# Allegro board PCIe3_0_X16_V1_0-166-20240802_20240828_pcb.brd (continued)
## Routing (per net, layer and track width the routed paths; a pad name or vN(x,y) marks a point on that pad's centre or on a via; arc(x,y) is an arc through that point) (continued)
  GND11 w0.391: 205.94,91.14 TP24.1 ; TP24.1 204.86,92.22 ; TP24.1 207.02,92.22 ; TP24.1 205.94,93.3
  ART12 w0.391: 24.07,107.92 J1.2 ; J1.2 24.99,106.99 ; J1.2 24.99,108.84 ; J1.2 25.92,107.92 ; TP24.1 205.94,93.3 ; TP24.1 204.86,92.22 ; TP24.1 207.02,92.22 ; TP24.1 205.94,91.14 ; 197.55,98.29 J5.2 ; J5.2 199.63,98.29 ; J5.2 199.63,96.2 ; J5.2 197.55,96.2 ; J5.4 199.63,92.79 ; J5.4 197.55,92.79 ; J5.4 199.63,90.7 ; J5.4 197.55,90.7 ; 34.23,107.92 J1.10 ; J1.10 35.15,108.84 ; J1.10 35.15,106.99 ; J1.10 36.08,107.92
  GND13 w0.391: 205.94,91.14 TP24.1 ; TP24.1 207.02,92.22 ; TP24.1 205.94,93.3 ; TP24.1 204.86,92.22
  BOTTOM w0.254: R16.1 88.72,51.7 89.01,51.4 89.15,51.4 v1(89.32,51.23)
  BOTTOM w0.305: C120.2 80.48,47.42 v1(80.35,47.56) ; R116.1 145.12,42.36 v1(145.29,42.18) ; C32.2 117.08,68.99 v1(117.32,69.23) ; C106.2 76.21,35.12 v1(76.35,34.98) 76.29,34.93 C104.2 ; v1(137.29,67.33) 137.16,67.47 C224.2 ; v1(71.55,92.47) 71.39,92.63 C153.2 ; C483.2 109.76,48.79 v1(109.32,49.23) ; v1(107.32,56.23) 107.67,55.88 L2.1 ; C133.2 77.73,67.55 v1(77.95,67.33) ; v1(112.32,54.23) 111.88,54.67 C42.2 ; C5.2 112.57,99.85 112.41,100 v1(111.82,100) ; C231.2 135.06,48.99 v1(135.69,48.36) ; C147.2 80.48,72.56 v1(80.35,72.7) ; C152.2 75.95,80.3 v1(76.35,79.9) 75.94,79.5 C150.2 ; C178.2 80.48,85.14 v1(80.35,85.27) ; v1(71.55,54.76) 71.34,54.96 C94.2 ; R75.2 78.87,47.43 v1(78.75,47.56) ; C41.2 104.88,57.79 v1(105.32,58.23) ; R150.2 138.77,67.45 v1(138.89,67.33) ; v1(78.75,60.13) 78.87,60 R108.2 ; v1(145.29,67.33) 145.12,67.5 R149.1 ; C56.2 114.96,67.87 v1(114.32,67.23) ; C113.2 75.95,55.15 v1(76.35,54.76) 75.94,54.35 C118.2 ; C58.2 111.88,57.79 v1(112.32,58.23) ; C137.2 73.92,67.36 v1(73.95,67.33) ; C244.2 137.21,34.9 v1(137.29,34.98) ; R41.1 94.68,83.59 v1(94.32,83.23) ; v1(77.95,79.9) 77.73,80.12 C144.2 ; C47.2 107.77,68.78 v1(107.32,69.23) ; C182.2 146.3,85.07 v1(146.09,85.27) ; C128.2 v1(70.74,71.27) ; v1(148.49,34.98) 148.59,34.89 C265.2 ; v1(96.32,78.23) 95.88,77.79 C477.2 ; v1(118.32,71.23) 118.49,71.4 C30.2 ; v1(121.32,81.23) U1.AM37 C86.2 ; C260.2 135.06,36.41 v1(135.69,35.78) ; v1(97.32,78.23) 97.73,77.81 C478.2 ; R69.1 72.52,72.53 v1(72.35,72.7) ; C241.2 138.93,47.52 v1(138.89,47.56) ; C232.2 141.69,47.16 v1(141.29,47.56) 141.7,47.96 C235.2 ; C263.2 143.76,42.25 v1(143.69,42.18) ; v1(116.32,54.23) 116.74,54.65 R58.2 ; R65.1 119.52,63.8 119.82,63.5 U1.AL19 v1(120.32,62.23) ; v1(71.55,67.33) 71.34,67.53 C123.2 ; C176.2 73.92,92.5 v1(73.95,92.47) ; v1(96.32,57.23) 96.62,56.93 R57.1 ; v1(104.32,76.23) 103.88,76.67 C72.2 ; C115.2 76.29,47.5 v1(76.35,47.56) 76.27,47.63 C107.2 ; v1(145.29,92.47) 145.12,92.65 R111.1 ; U1.AK33 v1(119.32,77.23) ; v1(78.75,92.47) 78.71,92.51 C175.2 ; v1(146.09,34.98) 146.3,34.78 C242.2 ; R68.1 115.66,64.57 v1(116.32,65.23) 116.64,64.91 R67.2 ; C40.2 111.88,61.79 v1(112.32,62.23) ; v1(106.32,49.23) 106.76,48.79 C480.2 ; C215.2 v1(146.9,68.76) ; v1(81.95,73.5) 82.5,74.05 C141.2 ; C250.2 v1(154.04,82.5) ; C183.2 146.3,72.5 v1(146.09,72.7) ; C110.2 78.71,42.22 v1(78.75,42.18) ; 83.83,65.9 C130.2 82.58,65.9 v1(81.95,66.53) ; v1(98.32,46.23) U1.K3 C77.2 ; v1(77.95,54.76) 77.73,54.97 C119.2 ; v2(56.96,89.2) 57.2,88.96 C304.2 ; C116.2 73.88,47.49 v1(73.95,47.56) ; v1(82.76,43) 82.61,42.85 C95.2 ; v1(104.32,59.23) U1.T16 C59.2 ; R70.2 78.87,72.58 v1(78.75,72.7) ; R66.1 122.59,63.96 v1(123.32,63.23) ; C7.2 115.95,103.43 v1(115.95,103.46) ; v1(109.32,63.23) 108.93,63.61 C1.2 ; R34.2 89.13,65.42 v1(89.32,65.23) ; v1(73.95,85.27) 73.88,85.21 C181.2 ; R115.2 148.08,84.86 v1(148.49,85.27) 148.46,85.31 C194.2 ; C308.2 56.45,48.92 v2(56.96,49.43) ; C469.2 U1.Y4 v1(109.32,47.23) ; C225.2 141.35,67.38 v1(141.29,67.33) 141.5,67.12 C226.2 ; v1(81.95,91.67) 82.58,91.04 C171.2 ; v1(81.95,41.38) 82.58,40.75 C100.2 ; v1(138.89,72.7) 138.93,72.66 C206.2 ; C185.2 v1(146.9,93.9) ; v1(114.32,58.23) 115.11,57.44 R60.2 ; C473.2 v1(113.32,78.23) U1.AD34 ; v1(97.32,71.23) 97.48,71.07 R43.2 ; v1(138.89,92.47) 138.77,92.6 R112.2 ; v1(112.32,73.23) 112.69,73.6 C51.2 ; C75.2 U1.AH6 v1(117.32,49.23) ; v1(81.95,60.93) 82.5,61.48 C129.2 83.05,62.67 ; v1(73.95,34.98) 73.88,34.92 C108.2 ; C191.2 141.43,92.34 v1(141.29,92.47) 141.35,92.53 C192.2 ; C111.2 82.5,48.91 v1(81.95,48.36) ; v1(99.32,80.23) 99.32,80.1 C87.2 ; C93.2 71.34,42.39 v1(71.55,42.18) ; v1(137.29,42.18) 137.16,42.32 C261.2 ; v1(80.35,34.98) 80.48,34.84 C103.2 ; v1(67.16,7) v1(67.16,8.02) ; C49.2 U1.U27 v1(105.32,71.23) ; C114.2 69.05,54.85 v1(69.15,54.76) ; C229.2 143.72,60.1 v1(143.69,60.13) ; v1(146.09,47.56) 146.3,47.35 C213.2 ; v1(138.89,85.27) 138.93,85.24 C197.2 ; v1(73.95,72.7) 73.88,72.64 C149.2 ; v1(143.69,67.33) 143.76,67.39 C221.2 ; C143.2 78.71,79.94 v1(78.75,79.9) ; C259.2 135.14,40.83 v1(135.69,41.38) ; C92.2 98.88,74.79 v1(99.32,75.23) ; R117.2 138.77,42.31 v1(138.89,42.18) ; v1(134.88,46.74) 135.03,46.89 C217.2 ; R113.1 145.12,80.08 v1(145.29,79.9) ; C136.2 78.71,67.37 v1(78.75,67.33) ; C126.2 82.61,68 v1(82.76,68.14) ; v1(143.69,72.7) 143.72,72.67 C207.2 ; C44.2 U1.T12 v1(104.32,55.23) ; C170.2 82.5,86.63 v1(81.95,86.07) ; C31.2 121.93,67.62 v1(122.32,67.23) 122.33,67.24 C53.2 ; v1(143.69,85.27) 143.72,85.25 C190.2 ; v1(73.95,54.76) 73.92,54.78 C122.2 ; R107.1 72.52,59.95 v1(72.35,60.13) ; v1(113.32,49.23) 112.88,48.79 C470.2 ; v1(113.32,63.23) 113.09,63.46 R61.1 ; v1(134.88,84.46) 135.03,84.61 C184.2 ; C37.2 104.2,63.35 v1(104.32,63.23) ; v1(103.32,56.23) 102.82,56.73 C486.2 ; C148.2 76.29,72.65 v1(76.35,72.7) 76.26,72.79 C146.2 ; v1(102.32,49.23) 101.88,48.79 C84.2 ; C220.2 141.69,59.73 v1(141.29,60.13) 141.7,60.53 C223.2 ; C209.2 137.16,80.04 v1(137.29,79.9) ; C248.2 v2(154.04,91.31) C254.2 ; v1(73.95,60.13) 73.88,60.06 C134.2 ; 135.55,62.9 R140.1 134.9,64.18 134.6,64.49 C218.2 135.14,65.98 v1(135.69,66.53) ; v1(80.35,60.13) 80.48,59.99 C140.2 ; v1(73.95,42.18) 73.92,42.21 C105.2 ; v1(103.32,65.23) 103.15,65.06 R35.1 ; v1(90.32,79.23) U1.B35 C479.2 90.88,78.67 v1(91.32,78.23) ; R71.1 72.52,85.1 v1(72.35,85.27) ; C201.2 135.06,74.13 v1(135.69,73.5) ; v1(106.32,76.23) 105.82,76.73 C90.2 ; v1(139.69,60.13) 139.91,59.91 C222.2 ; C485.2 102.88,59.79 v1(103.32,60.23) ; C202.2 141.69,72.31 v1(141.29,72.7) 141.7,73.11 C203.2 ; v1(73.95,79.9) 73.92,79.93 C145.2 ; R76.1 72.52,34.81 v1(72.35,34.98) ; v1(98.32,76.23) 98.75,76.66 C69.2 ; C151.2 69.05,79.99 v1(69.15,79.9) ; C121.2 75.94,41.78 v1(76.35,42.18) 75.95,42.58 C102.2 ; C266.2 139.91,34.77 v1(139.69,34.98) ; v1(114.32,54.23) 114.69,53.86 R59.1 ; C88.2 92.82,79.73 v1(93.32,80.23) ; v1(119.32,51.23) U1.AK7 v1(118.32,51.23) ; v1(139.69,47.56) 139.91,47.34 C240.2 ; v1(110.32,46.23) U1.AA3 C85.2 ; v1(100.32,51.23) 99.89,50.8 C70.2 ; v1(113.32,72.23) U1.AD28 C48.2 ; v1(107.32,73.23) 107.64,73.54 C39.2 ; 83.03,63.53 R99.1 ; v1(77.95,42.18) 77.73,42.4 C101.2 ; v1(138.89,79.9) 138.77,80.03 R114.2 ; 132.93,53.4 C230.2 135.14,53.4 v1(135.69,53.96) ; C71.2 U1.AE4 v1(114.32,47.23) ; C198.2 141.69,84.88 v1(141.29,85.27) 141.7,85.68 C195.2 ; R118.1 145.12,54.93 v1(145.29,54.76) ; C474.2 107.76,48.67 v1(107.32,48.23) ; C109.2 v1(69.15,42.18) R73.2 ; C73.2 97.76,50.67 v1(97.32,50.23) ; C139.2 76.29,60.08 v1(76.35,60.13) 76.26,60.21 C135.2 ; v1(72.35,47.56) 72.52,47.38 R74.1 ; C142.2 82.58,78.47 v1(81.95,79.1) ; v1(104.32,74.23) U1.T30 C50.2 ; C33.2 123.42,70.13 v1(123.32,70.23) ; v1(137.29,92.47) 137.16,92.61 C193.2 ; v1(135.69,86.07) 135.06,86.7 C189.2 ; C270.2 141.7,35.39 v1(141.29,34.98) 141.69,34.59 C267.2 ; C233.2 143.72,47.53 v1(143.69,47.56) ; v1(148.49,60.13) 148.59,60.04 C228.2 ; C188.2 135.14,91.12 v1(135.69,91.67) ; C214.2 135.03,59.46 v1(134.88,59.32) ; v1(78.75,34.98) 78.87,34.86 R77.2 ; U1.AJ32 v1(118.32,76.23) ; C208.2 139.91,72.48 v1(139.69,72.7) ; C174.2 75.95,92.87 v1(76.35,92.47) 75.94,92.07 C180.2 ; v2(56.96,61.62) 56.45,61.11 C306.2 ; v1(146.09,60.13) 146.3,59.92 C212.2 ; C82.2 111.76,48.79 v1(111.32,49.23) ; v1(89.32,54.23) 89.28,54.27 R12.1 R20.1 ; v1(69.15,92.47) 69.13,92.46 C177.2 ; C132.2 75.95,67.72 v1(76.35,67.33) 75.94,66.92 C138.2 ; C475.2 v1(94.32,49.23) ; v1(148.49,72.7) 148.59,72.61 C205.2 ; C236.2 141.35,54.81 v1(141.29,54.76) 141.38,54.67 C238.2 ; v1(138.89,60.13) 138.93,60.09 C227.2 ; v1(104.32,49.23) 103.88,48.79 C471.2 ; C196.2 139.91,85.06 v1(139.69,85.27) ; C97.2 82.61,55.42 v1(82.76,55.57) ; v1(143.69,54.76) 143.76,54.82 C237.2 ; C172.2 76.14,85.49 v1(76.35,85.27) 76.29,85.22 C179.2 ; R42.1 97.13,82.41 v1(97.32,82.23) ; R56.1 96.67,59.77 95.86,59.77 v1(95.32,59.23) ; v1(134.88,71.89) 135.03,72.03 C186.2 ; C79.2 104.82,47.73 v1(105.32,47.23) ; C156.2 v1(70.74,83.85) ; C251.2 v1(154.04,95.53) ; v1(137.29,54.76) 137.16,54.89 C234.2 ; C187.2 v1(146.9,81.33) ; R15.2 108.94,54.85 v1(109.32,55.23) ; v1(111.95,95.46) 112.45,95.96 C8.2 ; R19.1 88.52,57.03 v1(89.32,56.23) ; v1(105.32,62.23) U1.U19 C43.2 ; v1(71.55,79.9) 71.34,80.11 C124.2 ; v1(112.32,60.23) 111.88,59.79 C484.2 ; C476.2 95.88,49.67 v1(96.32,49.23) ; C68.2 99.76,81.79 ; U1.AE9 v1(114.32,52.23) ; v1(135.69,79.1) 135.14,78.55 C200.2 ; C262.2 138.93,34.94 v1(138.89,34.98) ; C264.2 141.5,41.97 v1(141.29,42.18) 141.35,42.24 C269.2 ; C216.2 v1(146.9,56.18) ; C268.2 143.72,34.95 v1(143.69,34.98) ; v1(69.15,67.33) 69.05,67.42 C131.2 ; C204.2 143.76,79.97 v1(143.69,79.9) ; C98.2 v4(70.74,46.13) ; v1(101.32,67.23) 101.76,66.79 C481.2 ; C125.2 v1(70.74,58.7) ; v1(100.32,65.23) 100.72,64.83 R37.1 ; C210.2 141.35,79.95 v1(141.29,79.9) 141.5,79.69 C211.2 ; C245.2 v1(146.9,43.61) ; C91.2 111.82,77.73 v1(111.32,78.23) 111.75,78.66 C80.2 ; v1(103.32,69.23) 102.7,69.85 R44.1 ; R72.2 78.87,85.15 v1(78.75,85.27) ; C57.2 122.02,80.23 v1(121.32,80.23) ; R119.2 138.77,54.88 v1(138.89,54.76) ; C6.2 117.43,98.94 v1(117.95,99.46) ; v1(81.95,53.96) 82.58,53.33 C112.2 ; C173.2 77.73,92.69 v1(77.95,92.47) ; C256.2 v1(154.04,86.82) C255.2 ; v1(81.95,35.78) 82.5,36.33 C99.2 ; C81.2 v1(115.32,49.23) ; v1(111.32,66.23) 111.82,65.73 C60.2 111.95,65.6 v1(112.32,65.23) ; v1(82.76,80.71) 82.61,80.57 C127.2 ; C74.2 v1(117.32,76.23) ; v1(82.76,93.29) 82.61,93.14 C155.2 ; v1(120.32,69.23) 120.87,69.77 C34.2 ; v1(78.75,54.76) 78.71,54.8 C117.2 ; v1(148.49,47.56) 148.59,47.46 C239.2 ; U1.P32 v1(103.32,75.23) ; C199.2 143.76,92.54 v1(143.69,92.47) ; C10.2 v2(115.33,108.92)
  BOTTOM w0.381: P2.A63 109.65,6.49 v1(110.16,7) v1(110.16,8.02) ; P2.A45 91.65,6.51 v1(91.16,7) v1(91.16,8.02) ; P2.A74 120.65,6.51 v1(120.16,7) v1(120.16,8.02) ; P2.A59 105.65,6.49 v1(106.16,7) v1(106.16,8.02) ; v1(71.16,8.02) v1(71.16,7) 70.65,6.49 P2.A24 ; v1(81.16,8.02) v1(81.16,7) 80.65,6.49 P2.A34 ; v1(118.32,71.23) 117.82,70.73 C482.2 ; P2.A62 108.65,6.51 v1(108.16,7) v1(108.16,8.02) ; v1(69.16,8.02) v1(69.16,7) 69.65,6.51 P2.A23 ; C284.2 36.45,54.73 v2(36.71,54.99) v2(37.47,54.99) ; R47.1 v2(94.69,38.89) ; v2(37.47,69.24) v2(36.71,69.24) 36.45,68.98 C280.2 ; P2.A82 128.65,6.51 v1(128.16,7) v1(128.16,8.02) ; P2.A66 112.65,6.51 v1(112.16,7) v1(112.16,8.02) ; v2(37.47,26.49) v2(36.71,26.49) 36.45,26.23 C298.2 ; P2.A18 64.65,6.99 v1(64.66,7) v1(64.66,8.02) ; P2.A28 74.65,6.49 v1(75.16,7) v1(75.16,8.02) ; P2.A41 87.65,6.51 v1(87.16,7) v1(87.16,8.02) ; C310.2 54.62,32.92 v2(54.3,32.61) ; v2(32.24,37.94) 30.88,37.94 30.66,38.15 R187.1 R185.1 ; v2(37.47,28.89) v2(36.71,28.89) 36.46,29.13 C302.2 ; v1(62.16,8.02) v1(62.16,7) 61.65,6.49 P2.A15 ; R161.1 R163.1 30.66,66.74 30.97,66.44 v2(32.24,66.44) ; v2(37.47,57.39) v2(36.71,57.39) 36.46,57.63 C290.2 ; v2(37.47,43.14) v2(36.71,43.14) 36.46,43.38 C296.2 ; v1(126.16,8.02) v1(126.16,7) 125.65,6.49 P2.A79 ; P2.A38 84.65,6.49 v1(85.16,7) v1(85.16,8.02) ; v1(114.16,8.02) v1(114.16,7) 113.65,6.49 P2.A67 ; v1(93.16,8.02) v1(93.16,7) 92.65,6.49 P2.A46 ; P2.A75 121.65,6.49 v1(122.16,7) v1(122.16,8.02) ; P2.A49 95.65,6.51 v1(95.16,7) v1(95.16,8.02) ; v1(102.16,8.02) v1(102.16,7) 101.65,6.49 P2.A55 ; P2.A27 73.65,6.51 v1(73.16,7) v1(73.16,8.02) ; v2(37.47,71.64) v2(36.71,71.64) 36.46,71.88 C287.2 ; P2.A31 77.65,6.49 v1(78.16,7) v1(78.16,8.02) ; P2.A54 100.65,6.51 v1(100.16,7) v1(100.16,8.02) ; v1(104.16,8.02) v1(104.16,7) 104.65,6.51 P2.A58 ; v2(32.24,52.19) 32.22,52.16 30.97,52.16 30.66,52.47 R177.1 R175.1 ; v1(59.16,8.02) v1(59.16,7) 58.65,6.49 P2.A12 ; P2.A71 117.65,6.49 v1(118.16,7) v1(118.16,8.02) ; v1(48.66,9.29) v1(48.66,8.02) v1(48.66,7) 48.66,6.75 48.65,6.74 P2.A4 ; v2(32.24,23.69) 30.97,23.69 30.66,23.99 R197.1 R195.1 ; P2.A78 124.65,6.51 v1(124.16,7) v1(124.16,8.02) ; v1(89.16,8.02) v1(89.16,7) 88.65,6.49 P2.A42 ; v2(37.47,40.74) v2(36.71,40.74) 36.45,40.48 C292.2 ; v1(116.16,8.02) v1(116.16,7) 116.65,6.51 P2.A70 ; R48.1 v2(92.07,38.89) ; v1(68.41,33.88) 68.98,33.88 C96.2 ; v1(98.16,8.02) v1(98.16,7) 97.65,6.49 P2.A51 ; P2.A37 83.65,6.51 v1(83.16,7) v1(83.16,8.02) ; P2.A20 66.65,6.49 v1(67.16,7) ; R36.2 92.72,71.63 v1(93.32,72.23) 93.15,72.39 C65.2
  vias: v1(38.71,84.21) v1(38.71,82.94) v1(39.75,92.04) v1(39.98,82.94) v1(41.25,82.94) v1(42.47,73.9) v1(42.47,66.97) v1(42.47,59.65) v1(42.47,52.72) v1(42.47,45.41) v1(42.47,38.47) v1(42.47,31.15) v1(42.47,24.22) v1(44.25,33.7) v1(44.25,32.43) v1(44.5,76.44) v1(44.5,75.17) v1(44.5,62.19) v1(44.5,60.92) v1(44.5,47.95) v1(44.5,46.68) v1(45.52,73.9) v1(45.52,66.97) v1(45.52,59.65) v1(45.52,45.41) v1(45.52,33.7) v1(45.52,32.43) v1(45.52,31.15) v1(45.77,76.44) v1(45.77,75.17) v1(45.77,62.19) v1(45.77,60.92) v1(45.77,47.95) v1(45.77,46.68) v1(46.79,66.97) v1(46.79,52.72) v1(46.79,38.47) v1(46.79,33.7) v1(46.79,24.22) v1(47.04,76.44) v1(47.04,62.19) v1(47.04,47.95) v1(48.06,66.97) v1(48.06,52.72) v1(48.06,38.47) v1(48.31,76.44) v1(48.31,62.19) v1(48.31,47.95) v1(48.31,33.7) v1(48.31,24.22) v1(49.33,68.49) v1(49.33,66.97) v1(49.33,53.99) v1(49.33,52.72) v1(49.33,39.74) v1(49.33,38.47) v1(49.35,26.33) v1(49.35,25.31) v1(49.35,24.22) v1(53.03,88.19) v1(59.51,9.62) v1(59.99,92.76) v1(62.43,12.16) v1(62.43,9.62) v1(62.53,20.93) v1(63.93,12.16) v1(63.93,9.62) v1(64.31,19.13) v1(67.43,12.16) v1(67.43,9.62) v1(67.78,90.37) v1(67.8,32.77) v1(68.82,32.77) v1(68.93,12.16) v1(68.93,9.62) v1(69.15,84.47) v1(69.15,77.5) v1(69.15,64.93) v1(70.75,93.27) v1(71.43,12.16) v1(71.43,9.62) v1(72.93,12.16) v1(72.93,9.62) v1(73.15,75.1) v1(73.15,49.96) v1(73.95,39.78) v1(74.75,77.5) v1(74.75,75.1) v1(74.75,65.73) v1(74.75,64.93) v1(74.75,62.53) v1(74.75,61.73) v1(74.75,52.36) v1(74.75,49.96) v1(75.43,12.16) v1(75.43,9.62) v1(75.55,75.1) v1(75.55,63.33) v1(75.55,61.73) v1(75.55,49.16) v1(76.35,87.67) v1(76.35,77.5) v1(76.35,76.23) v1(76.35,75.1) v1(76.35,69.87) v1(76.35,64.13) v1(76.35,63.33) v1(76.35,56.36) v1(76.35,49.96) v1(76.48,38.3) v1(76.93,12.16) v1(76.93,9.62) v1(77.15,90.87) v1(77.15,87.67) v1(77.15,78.3) v1(77.15,49.96) v1(77.07,32.77) v1(77.95,90.87) v1(77.95,78.3) v1(77.95,62.53) v1(77.95,49.96) v1(77.95,38.98) v1(78.09,32.77) v1(78.2,9.62) v1(78.75,76.23) v1(78.75,62.53) v1(78.75,52.36) v1(78.75,49.96) v1(78.75,38.98) v1(78.75,36.58) v1(78.85,30.58) v1(79.36,32.77) v1(79.55,52.36) v1(79.55,49.96) v1(80.35,80.75) v1(80.35,49.96) v1(80.35,41.38) v1(80.63,32.77) v1(81.43,12.16) v1(81.43,9.62) v1(82.93,12.16) v1(82.93,9.62) v1(84.2,9.62) v1(85.43,12.16) v1(86.93,12.16) v1(86.93,9.62) v1(89.32,46.23) v1(89.43,12.16) v1(89.49,95.71) v1(90.32,56.23) v1(90.93,12.16) v1(91.16,9.62) v1(92.02,96.24) v1(93.43,12.16) v1(93.43,9.62) v1(93.59,97.61) v1(94.6,95.71) v1(94.6,94.44) v1(94.85,92.79) v1(94.93,12.16) v1(95.32,52.23) v1(95.32,49.23) v1(96.32,44.23) v1(96.38,97.61) v1(97.32,68.23) v1(97.32,46.23) v1(97.42,92.25) v1(97.39,9.62) v1(98.32,66.23) v1(99.93,12.16) v1(100.16,9.62) v1(101.32,59.23) v1(101.46,93.9) v1(101.46,92.63) v1(102.43,9.62) v1(103.93,12.16) v1(104.16,9.62) v1(104.92,96.62) v1(104.92,93.95) v1(105.32,83.23) v1(106.16,12.16) v1(106.16,9.62) v1(106.4,98.32) v1(106.4,95.66) v1(107.93,12.16) v1(107.93,9.62) v1(110.24,12.16) v1(110.24,9.62) v1(111.4,88.58) v1(111.4,87.31) v1(111.4,86.04) v1(111.4,84.77) v1(111.93,12.16) v1(111.93,9.62) v1(111.95,94.19) v1(114.43,12.16) v1(114.43,9.62) v1(115.93,12.16) v1(115.93,9.62) v1(116.6,88.29) v1(118.13,88.29) v1(118.43,93.55) v1(118.41,12.16) v1(118.41,9.62) v1(119.93,12.16) v1(119.93,9.62) v1(119.95,99.46) v1(121.6,88.39) v1(122.18,96.46) v1(122.18,95.46) v1(122.18,94.13) v1(122.18,92.86) v1(122.41,12.16) v1(122.41,9.62) v1(123.93,12.16) v1(123.93,9.62) v1(126.3,89.03) v1(126.43,12.16) v1(126.43,9.62) v1(127.93,12.16) v1(127.93,9.62) v1(130.47,12.16) v1(131.5,93.35) v1(133.01,12.16) v1(134.89,38.51) v1(135.55,12.16) v1(135.69,61.73) v1(137.29,90.07) v1(137.29,87.67) v1(137.29,61.73) v1(137.29,60.93) v1(137.29,52.36) v1(137.29,38.51) v1(138.09,90.07) v1(138.09,68.13) v1(138.09,61.73) v1(138.09,52.36) v1(138.09,49.96) v1(138.09,12.16) v1(138.89,90.07) v1(138.89,49.96) v1(138.89,38.51) v1(139.69,90.07) v1(139.69,64.93) v1(139.69,36.58) v1(140.34,88.39) v1(140.49,77.5) v1(140.49,49.96) v1(140.49,36.58) v1(140.83,62.92) v1(141.29,90.07) v1(141.29,87.67) v1(141.29,77.5) v1(141.29,64.93) v1(141.29,49.96) v1(141.29,38.51) v1(142.09,90.87) v1(142.09,77.5) v1(142.89,87.67) v1(142.89,77.5) v1(142.89,75.1) v1(142.89,64.93) v1(142.89,62.53) v1(142.89,52.36) v1(142.89,49.96) v1(142.89,37.38) v1(143.69,87.67) v1(144.49,77.5) v1(147.69,39.78) v1(147.69,35.78) v1(148.49,75.1) v1(148.49,62.53) v1(148.49,49.96) v1(148.49,39.78) v1(180.5,88.57) v1(180.5,87.78) v1(180.5,87) v1(180.5,86.21) v1(180.5,66.22) v1(180.5,65.43) v1(180.5,64.64) v1(180.5,63.86) v1(180.5,47.04) v1(180.5,46.25) v1(180.5,45.47) v1(180.5,44.68) v1(180.5,27.99) v1(180.5,27.2) v1(180.5,26.42) v1(180.5,25.63) v1(181.29,88.57) v1(181.29,87.78) v1(181.29,87) v1(181.29,86.21) v1(181.29,66.22) v1(181.29,65.43) v1(181.29,64.64) v1(181.29,63.86) v1(181.29,47.04) v1(181.29,46.25) v1(181.29,45.47) v1(181.29,44.68) v1(181.29,27.99) v1(181.29,27.2) v1(181.29,26.42) v1(181.29,25.63) v1(182.07,88.57) v1(182.07,87.78) v1(182.07,87) v1(182.07,86.21) v1(182.07,66.22) v1(182.07,65.43) v1(182.07,64.64) v1(182.07,63.86) v1(182.07,47.04) v1(182.07,46.25) v1(182.07,45.47) v1(182.07,44.68) v1(182.07,27.99) v1(182.07,27.2) v1(182.07,26.42) v1(182.07,25.63) v1(182.86,88.57) v1(182.86,87.78) v1(182.86,87) v1(182.86,86.21) v1(182.86,66.22) v1(182.86,65.43) v1(182.86,64.64) v1(182.86,63.86) v1(182.86,47.04) v1(182.86,46.25) v1(182.86,45.47) v1(182.86,44.68) v1(182.86,27.99) v1(182.86,27.2) v1(182.86,26.42) v1(182.86,25.63) v1(183.65,88.57) v1(183.65,87.78) v1(183.65,87) v1(183.65,86.21) v1(183.65,66.22) v1(183.65,65.43) v1(183.65,64.64) v1(183.65,63.86) v1(183.65,47.04) v1(183.65,46.25) v1(183.65,45.47) v1(183.65,44.68) v1(183.65,27.99) v1(183.65,27.2) v1(183.65,26.42) v1(183.65,25.63) v1(184.44,88.57) v1(184.44,87.78) v1(184.44,87) v1(184.44,86.21) v1(184.44,66.22) v1(184.44,65.43) v1(184.44,64.64) v1(184.44,63.86) v1(184.44,47.04) v1(184.44,46.25) v1(184.44,45.47) v1(184.44,44.68) v1(184.44,27.99) v1(184.44,27.2) v1(184.44,26.42) v1(184.44,25.63) v1(196.55,71.15) v1(196.55,70.37) v1(196.55,69.58) v1(196.55,68.79) v1(196.55,68) v1(196.55,67.22) v1(196.55,39.77) v1(196.55,38.98) v1(196.55,38.19) v1(196.55,37.41) v1(196.55,36.62) v1(196.55,35.83) v1(197.34,71.15) v1(197.34,70.37) v1(197.34,69.58) v1(197.34,68.79) v1(197.34,68) v1(197.34,67.22) v1(197.34,39.77) v1(197.34,38.98) v1(197.34,38.19) v1(197.34,37.41) v1(197.34,36.62) v1(197.34,35.83) v1(198.12,71.15) v1(198.12,70.37) v1(198.12,69.58) v1(198.12,68.79) v1(198.12,68) v1(198.12,67.22) v1(198.12,39.77) v1(198.12,38.98) v1(198.12,38.19) v1(198.12,37.41) v1(198.12,36.62) v1(198.12,35.83) v1(198.91,71.15) v1(198.91,70.37) v1(198.91,69.58) v1(198.91,68.79) v1(198.91,68) v1(198.91,67.22) v1(198.91,39.77) v1(198.91,38.98) v1(198.91,38.19) v1(198.91,37.41) v1(198.91,36.62) v1(198.91,35.83) v2(1.17,100.42) v2(1.17,98.13) v2(1.17,95.59) v2(1.17,93.05) v2(1.17,90.51) v2(1.17,87.97) v2(1.17,85.43) v2(1.17,82.89) v2(1.17,80.35) v2(1.17,77.81) v2(1.17,75.27) v2(1.17,72.73) v2(1.17,70.19) v2(1.17,67.65) v2(1.17,65.11) v2(1.17,62.57) v2(1.17,60.03) v2(1.17,57.49) v2(1.17,54.95) v2(1.17,52.41) v2(1.17,49.87) v2(1.17,47.33) v2(1.17,44.79) v2(1.17,42.25) v2(1.17,39.71) v2(1.17,37.17) v2(1.17,34.63) v2(1.17,32.09) v2(1.17,29.55) v2(1.17,27.01) v2(1.17,24.47) v2(1.17,21.93) v2(1.17,19.65) v2(3.71,95.59) v2(3.71,93.05) v2(3.71,90.51) v2(3.71,87.97) v2(3.71,85.43) v2(3.71,82.89) v2(3.71,80.35) v2(3.71,77.81) v2(3.71,75.27) v2(3.71,72.73) v2(3.71,65.11) v2(3.71,60.03) v2(3.71,57.49) v2(3.71,52.41) v2(3.71,49.87) v2(3.71,47.33) v2(3.71,44.79) v2(3.71,42.25) v2(3.71,37.17) v2(3.71,34.63) v2(3.71,24.47) v2(3.71,21.93) v2(6.25,100.42) v2(6.25,98.13) v2(6.25,95.59) v2(6.25,93.05) v2(6.25,90.51) v2(6.25,87.97) v2(6.25,85.43) v2(6.25,82.89) v2(6.25,80.35) v2(6.25,77.81) v2(6.25,75.27) v2(6.25,72.73) v2(6.25,70.19) v2(6.25,67.65) v2(6.25,65.11) v2(6.25,62.57) v2(6.25,60.03) v2(6.25,57.49) v2(6.25,54.95) v2(6.25,52.41) v2(6.25,49.87) v2(6.25,47.33) v2(6.25,44.79) v2(6.25,42.25) v2(6.25,39.71) v2(6.25,37.17) v2(6.25,34.63) v2(6.25,32.09) v2(6.25,29.55) v2(6.25,27.01) v2(6.25,24.47) v2(6.25,21.93) v2(6.25,19.65) v2(8.79,100.42) v2(8.79,98.13) v2(8.79,95.59) v2(8.79,93.05) v2(8.79,90.51) v2(8.79,87.97) v2(8.79,85.43) v2(8.79,82.89) v2(8.79,75.27) v2(8.79,72.73) v2(8.79,70.19) v2(8.79,67.65) v2(8.79,65.11) v2(8.79,62.57) v2(8.79,60.03) v2(8.79,57.49) v2(8.79,54.95) v2(8.79,52.41) v2(8.79,47.33) v2(8.79,44.79) v2(8.79,42.25) v2(8.79,39.71) v2(8.79,37.17) v2(8.79,32.09) v2(8.79,29.55) v2(8.79,27.01) v2(8.79,24.47) v2(8.79,21.93) v2(8.79,19.65) v2(11.33,100.42) v2(11.33,98.13) v2(11.33,95.59) v2(11.33,93.05) v2(11.33,90.51) v2(11.33,87.97) v2(11.33,85.43) v2(11.33,82.89) v2(11.33,80.35) v2(11.33,77.81) v2(11.33,75.27) v2(11.33,72.73) v2(11.33,70.19) v2(11.33,67.65) v2(11.33,65.11) v2(11.33,62.57) v2(11.33,60.03) v2(11.33,57.49) v2(11.33,54.95) v2(11.33,52.41) v2(11.33,49.87) v2(11.33,47.33) v2(11.33,44.79) v2(11.33,42.25) v2(11.33,39.71) v2(11.33,37.17) v2(11.33,34.63) v2(11.33,32.09) v2(11.33,29.55) v2(11.33,27.01) v2(11.33,24.47) v2(11.33,21.93) v2(11.33,19.65) v2(13.87,101.68) v2(13.87,100.42) v2(13.87,98.13) v2(13.87,95.59) v2(13.87,93.05) v2(13.87,90.51) v2(13.87,87.97) v2(13.87,85.43) v2(13.87,82.89) v2(13.87,80.35) v2(13.87,77.81) v2(13.87,75.27) v2(13.87,72.73) v2(13.87,70.19) v2(13.87,67.65) v2(13.87,65.11) v2(13.87,60.03) v2(13.87,57.49) v2(13.87,54.95) v2(13.87,52.41) v2(13.87,49.87) v2(13.87,47.33) v2(13.87,44.79) v2(13.87,42.25) v2(13.87,39.71) v2(13.87,37.17) v2(13.87,34.63) v2(13.87,32.09) v2(13.87,29.55) v2(13.87,27.01) v2(13.87,24.47) v2(13.87,21.93) v2(15.14,101.68) v2(16.41,101.68) v2(16.41,100.42) v2(16.41,98.13) v2(16.41,95.59) v2(16.41,93.05) v2(16.41,90.51) v2(16.41,87.97) v2(16.41,85.43) v2(16.41,82.89) v2(16.41,77.81) v2(16.41,75.27) v2(16.41,72.73) v2(16.41,70.19) v2(16.41,67.65) v2(16.41,65.11) v2(16.41,62.57) v2(16.41,60.03) v2(16.41,57.49) v2(16.41,54.95) v2(16.41,52.41) v2(16.41,49.87) v2(16.41,47.33) v2(16.41,44.79) v2(16.41,42.25) v2(16.41,39.71) v2(16.41,37.17) v2(16.41,34.63) v2(16.41,32.09) v2(16.41,29.55) v2(16.41,27.01) v2(16.41,24.47) v2(16.41,21.93) v2(16.41,19.65) v2(18.85,110.21) v2(18.95,100.42) v2(18.95,98.13) v2(18.95,95.59) v2(18.95,93.05) v2(18.95,90.51) v2(18.95,87.97) v2(18.95,85.43) v2(18.95,82.89) v2(18.95,80.35) v2(18.95,75.27) v2(18.95,70.19) v2(18.95,62.57) v2(18.95,60.03) v2(18.95,54.95) v2(18.95,47.33) v2(18.95,44.79) v2(18.95,39.71) v2(18.95,32.09) v2(18.95,27.01) v2(18.95,21.93) v2(18.95,19.65) v2(19.18,13.78) v2(21.39,110.21) v2(21.49,95.59) v2(21.49,93.05) v2(21.49,90.51) v2(21.49,87.97) v2(21.49,85.43) v2(21.49,82.89) v2(21.49,80.35) v2(21.49,77.81) v2(21.49,75.27) v2(21.49,72.73) v2(21.49,70.19) v2(21.49,67.65) v2(21.49,65.11) v2(21.49,62.57) v2(21.49,60.03) v2(21.49,57.49) v2(21.49,54.95) v2(21.49,52.41) v2(21.49,49.87) v2(21.49,47.33) v2(21.49,44.79) v2(21.49,42.25) v2(21.49,39.71) v2(21.49,37.17) v2(21.49,34.63) v2(21.49,32.09) v2(21.49,29.55) v2(21.49,27.01) v2(21.49,24.47) v2(21.49,21.93) v2(21.49,19.65) v2(21.72,13.78) v2(23.93,110.21) v2(24.03,100.42) v2(24.03,98.13) v2(24.03,95.59) v2(24.03,93.05) v2(24.03,90.51) v2(24.03,87.97) v2(24.03,85.43) v2(24.03,82.89) v2(24.03,80.35) v2(24.03,77.81) v2(24.03,75.27) v2(24.03,72.73) v2(24.03,70.19) v2(24.03,67.65) v2(24.03,65.11) v2(24.03,60.03) v2(24.03,57.49) v2(24.03,54.95) v2(24.03,52.41) v2(24.03,49.87) v2(24.03,47.33) v2(24.03,44.79) v2(24.03,42.25) v2(24.03,39.71) v2(24.03,37.17) v2(24.03,34.63) v2(24.03,32.09) v2(24.03,29.55) v2(24.03,27.01) v2(24.03,24.47) v2(24.03,21.93) v2(24.26,13.78) v2(26.57,98.13) v2(26.57,95.59) v2(26.57,93.05) v2(26.57,90.51) v2(26.57,87.97) v2(26.57,85.43) v2(26.57,82.89) v2(26.85,110.21) v2(26.8,13.78) v2(29.01,110.21) v2(29.11,98.13) v2(29.11,95.59) v2(29.11,93.05) v2(29.11,90.51) v2(29.11,87.97) v2(29.11,85.43) v2(29.11,82.89) v2(29.11,80.35) v2(29.34,13.78) v2(31.55,110.21) v2(31.65,98.13) v2(31.65,95.59) v2(31.65,93.05) v2(31.65,90.51) v2(31.65,87.97) v2(31.65,85.43) v2(31.65,82.89) v2(31.65,80.35) v2(31.88,13.78) v2(34.09,110.21) v2(34.42,13.78) v2(36.63,110.21) v2(36.96,13.78) v2(39.17,110.21) v2(39.5,13.78) v2(41.71,110.21) v2(42.04,13.78) v2(42.27,95.98) v2(42.27,95.21) v2(42.27,91.56) v2(42.27,90.8) v2(44.25,110.21) v2(44.58,14.49) v2(46.79,110.21) v2(49.33,110.21) v2(51.33,21.06) v2(51.33,19.5) v2(51.87,110.21) v2(52.73,82.02) v2(53.62,70.68) v2(54.41,110.21) v2(54.41,107.67) v2(54.41,105.13) v2(54.41,102.59) v2(54.74,83.82) v2(54.74,80.11) v2(55.24,72.49) v2(55.24,68.78) v2(56.29,12.16) v2(56.57,81.98) v2(56.97,70.68) v2(59.94,32.1) v2(60.06,85.36) v2(60.06,77.74) v2(60.06,68.85) v2(61.26,46.6) v2(61.26,40.33) v2(62.6,85.36) v2(62.6,80.28) v2(62.6,72.66) v2(62.6,66.31) v2(62.71,57.78) v2(63.37,110.21) v2(64.32,105.15) v2(65.59,106.42) v2(65.91,110.21) v2(67.03,98.22) v2(68.45,110.21) v2(70.99,110.21) v2(73.53,110.21) v2(76.07,110.21) v2(76.31,98.45) v2(77.35,23.37) v2(78.61,110.21) v2(78.62,28.7) v2(78.62,27.43) v2(78.62,23.37) v2(79.89,23.37) v2(81.16,23.37) v2(82.66,98.45) v2(82.79,69.07) v2(82.87,30.25) v2(84.14,30.25) v2(84.06,26.97) v2(84.06,24.05) v2(85.08,26.97) v2(85.08,25.32) v2(85.2,103.78) v2(85.2,102.51) v2(85.2,100.48) v2(85.2,98.45) v2(86.03,48.63) v2(86.47,102.51) v2(86.47,100.48) v2(87.74,102.51) v2(87.74,100.48) v2(87.74,98.45) v2(89.39,25.63) v2(89.39,23.09) v2(89.75,33.81) v2(89.9,28.75) v2(89.88,27.81) v2(90.23,108.55) v2(90.23,106.95) v2(90.23,105.68) v2(90.23,104.41) v2(90.23,103.14) v2(91.58,99.52) v2(91.58,98.42) v2(91.81,28.75) v2(92.13,98.97) v2(92.07,35.84) v2(92.67,98.42) v2(92.77,108.55) v2(92.92,102.77) v2(94.14,108.55) v2(94.17,104.55) v2(94.17,103.28) v2(97.06,103.66) v2(97.06,102.39) v2(97.06,101.12) v2(97.06,99.85) v2(98.12,96.42) v2(98.12,95.4) v2(99.17,102.51) v2(99.17,100.48) v2(99.17,97.43) v2(100.06,89.36) v2(101.18,89.36) v2(101.66,108.92) v2(101.66,106.95) v2(101.66,105.68) v2(101.66,104.41) v2(101.66,103.14) v2(102.46,87.16) v2(102.93,108.92) v2(103.01,99.52) v2(103.01,98.42) v2(103.56,98.97) v2(104.1,98.42) v2(104.2,108.92) v2(104.35,102.77) v2(105.57,108.92) v2(105.6,104.55) v2(105.6,103.28) v2(107.76,92.89) v2(108.9,92.89) v2(108.9,91.62) v2(110.17,92.89) v2(110.17,91.62) v2(116.6,108.92) v2(116.75,93.42) v2(117.87,108.92) v2(119.14,108.92) v2(126.99,101.88) v2(126.99,100.99) v2(127.59,95.55) v2(128.04,13.84) v2(128.05,106.32) v2(128.36,95.55) v2(129.07,107.34) v2(130.58,13.84) v2(131.43,75.36) v2(131.43,74.09) v2(131.43,71.42) v2(131.43,66.34) v2(131.99,30.43) v2(131.99,29.16) v2(131.99,27.89) v2(131.99,26.62) v2(132.19,104.23) v2(132.19,102.58) v2(132.57,100.89) v2(132.57,99.62) v2(132.7,103.43) v2(133.12,13.84) v2(133.21,106.73) v2(133.21,104.23) v2(133.21,102.58) v2(133.26,30.43) v2(133.26,29.16) v2(133.26,27.89) v2(133.26,26.62) v2(133.87,58.29) v2(134.48,106.73) v2(134.53,26.62) v2(134.96,58.29) v2(135.07,23.7) v2(135.75,106.73) v2(135.75,99.62) v2(135.66,13.84) v2(136.34,23.7) v2(137.02,106.73) v2(137.02,99.62) v2(137.61,23.7) v2(137.61,22.43) v2(138.2,13.84) v2(138.29,106.73) v2(138.29,99.62) v2(139.51,23.7) v2(139.51,22.43) v2(139.56,106.73) v2(140.74,13.84) v2(140.78,23.7) v2(140.78,22.43) v2(143.28,13.84) v2(145.82,13.84) v2(148.36,13.84) v2(150.9,13.84) v2(153.44,13.84) v2(155.98,110.24) v2(155.98,13.84) v2(158.52,110.24) v2(158.52,13.84) v2(161.06,110.24) v2(161.06,13.84) v2(163.6,110.24) v2(163.6,13.84) v2(165.86,106.42) v2(165.86,105.15) v2(166.14,110.24) v2(166.14,13.84) v2(167.13,106.42) v2(168.68,86.23) v2(168.68,84.96) v2(168.68,79.88) v2(168.68,63.87) v2(168.68,62.6) v2(168.68,58.79) v2(168.68,57.52) v2(168.68,13.84) v2(169.95,86.23) v2(169.95,84.96) v2(169.95,81.15) v2(169.95,79.88) v2(169.95,63.87) v2(169.95,62.6) v2(169.95,58.79) v2(169.95,57.52) v2(171.22,110.24) v2(171.22,86.23) v2(171.22,84.96) v2(171.22,83.69) v2(171.22,82.42) v2(171.22,81.15) v2(171.22,79.88) v2(171.22,63.87) v2(171.22,62.6) v2(171.22,61.33) v2(171.22,60.06) v2(171.22,58.79) v2(171.22,57.52) v2(171.22,13.84) v2(172.49,86.23) v2(172.49,84.96) v2(172.49,83.69) v2(172.49,82.42) v2(172.49,81.15) v2(172.49,79.88) v2(172.49,63.87) v2(172.49,62.6) v2(172.49,61.33) v2(172.49,60.06) v2(172.49,58.79) v2(172.49,57.52) v2(173.76,110.24) v2(173.76,86.23) v2(173.76,84.96) v2(173.76,83.69) v2(173.76,82.42) v2(173.76,81.15) v2(173.76,79.88) v2(173.76,63.87) v2(173.76,62.6) v2(173.76,61.33) v2(173.76,60.06) v2(173.76,58.79) v2(173.76,57.52) v2(173.76,44.7) v2(173.76,43.43) v2(173.76,39.62) v2(173.76,38.35) v2(173.76,25.65) v2(173.76,24.38) v2(173.76,20.57) v2(173.76,19.3) v2(173.76,13.84) v2(175.03,86.23) v2(175.03,84.96) v2(175.03,83.69) v2(175.03,82.42) v2(175.03,81.15) v2(175.03,79.88) v2(175.03,63.87) v2(175.03,62.6) v2(175.03,61.33) v2(175.03,60.06) v2(175.03,58.79) v2(175.03,57.52) v2(175.03,44.7) v2(175.03,43.43) v2(175.03,42.16) v2(175.03,40.89) v2(175.03,39.62) v2(175.03,38.35) v2(175.03,25.65) v2(175.03,24.38) v2(175.03,23.11) v2(175.03,21.84) v2(175.03,20.57) v2(175.03,19.3) v2(175.56,107.86) v2(176.3,110.24) v2(176.3,86.23) v2(176.3,84.96) v2(176.3,83.69) v2(176.3,63.87) v2(176.3,62.6) v2(176.3,61.33) v2(176.3,44.7) v2(176.3,43.43) v2(176.3,42.16) v2(176.3,25.65) v2(176.3,24.38) v2(176.3,23.11) v2(176.3,13.84) v2(176.45,107.86) v2(177.57,86.23) v2(177.57,84.96) v2(177.57,63.87) v2(177.57,62.6) v2(177.57,61.33) v2(177.57,44.7) v2(177.57,43.43) v2(177.57,25.65) v2(177.57,24.38) v2(178.84,110.24) v2(178.84,13.84) v2(181.38,110.24) v2(181.38,13.84) v2(182.93,99.81) v2(183.92,110.24) v2(183.92,13.84) v2(184.2,99.81) v2(185.9,82.42) v2(185.9,81.15) v2(185.9,79.88) v2(185.9,60.06) v2(185.9,58.79) v2(185.9,57.52) v2(185.9,40.89) v2(185.9,39.62) v2(185.9,38.35) v2(185.9,21.84) v2(185.9,20.57) v2(185.9,19.3) v2(186.46,110.24) v2(186.46,13.84) v2(188.49,110.24) v2(189,13.84) v2(190.22,77.9) v2(190.22,76.63) v2(190.22,65.76) v2(190.22,46.51) v2(190.22,45.24) v2(190.22,34.37) v2(191.54,110.24) v2(191.49,77.9) v2(191.49,76.63) v2(191.49,65.76) v2(191.49,46.51) v2(191.49,45.24) v2(191.49,34.37) v2(191.54,13.84) v2(192.76,76.63) v2(192.76,65.76) v2(192.76,45.24) v2(192.76,34.37) v2(194.03,76.63) v2(194.03,75.36) v2(194.03,45.24) v2(194.03,43.97) v2(194.08,110.24) v2(194.08,13.84) v2(195.3,77.9) v2(195.3,76.63) v2(195.3,75.36) v2(195.3,74.09) v2(195.3,46.51) v2(195.3,45.24) v2(195.3,43.97) v2(195.3,42.7) v2(196.62,110.24) v2(196.57,77.9) v2(196.57,76.63) v2(196.57,75.36) v2(196.57,74.09) v2(196.57,46.51) v2(196.57,45.24) v2(196.57,43.97) v2(196.57,42.7) v2(196.62,13.84) v2(199.16,110.24) v2(199.16,13.84) v2(201.7,110.24) v2(201.7,13.84) v2(203.15,61.65) v2(203.96,92.38) v2(204.24,110.24) v2(204.24,13.84) v2(205.16,63.45) v2(205.16,59.74) v2(205.97,94.18) v2(205.97,90.47) v2(206.78,110.24) v2(206.98,61.61) v2(207.8,92.35) v2(209.32,110.24) v2(209.32,13.84) v2(211.86,110.24) v2(211.86,107.82) v2(211.86,105.28) v2(211.86,102.74) v2(211.86,100.2) v2(211.86,97.66) v2(211.86,95.12) v2(211.86,92.58) v2(211.86,90.04) v2(211.86,87.5) v2(211.86,84.96) v2(211.86,82.42) v2(211.86,79.88) v2(211.86,77.34) v2(211.86,74.8) v2(211.86,72.26) v2(211.86,69.72) v2(211.86,67.18) v2(211.86,64.64) v2(211.86,62.1) v2(211.86,59.56) v2(211.86,57.02) v2(211.86,54.48) v2(211.86,51.94) v2(211.86,49.4) v2(211.86,46.86) v2(211.86,44.32) v2(211.86,41.78) v2(211.86,39.24) v2(211.86,36.7) v2(211.86,34.16) v2(211.86,31.62) v2(211.86,29.08) v2(211.86,26.54) v2(211.86,24) v2(211.86,21.46) v2(211.86,18.92) v2(211.86,16.38) v2(211.86,13.84) v3(134.43,15.73) v3(135.7,15.73) v3(136.97,15.73) v3(138.24,15.73) v3(139.51,15.73) v3(140.78,15.73) v3(142.05,17) v3(142.05,15.73) v4(45.52,52.72) v4(45.52,39.74) v4(45.52,38.47) v4(45.52,24.22)
